# Altium PCB node24.PcbDoc (part 1 of 10) (continued)
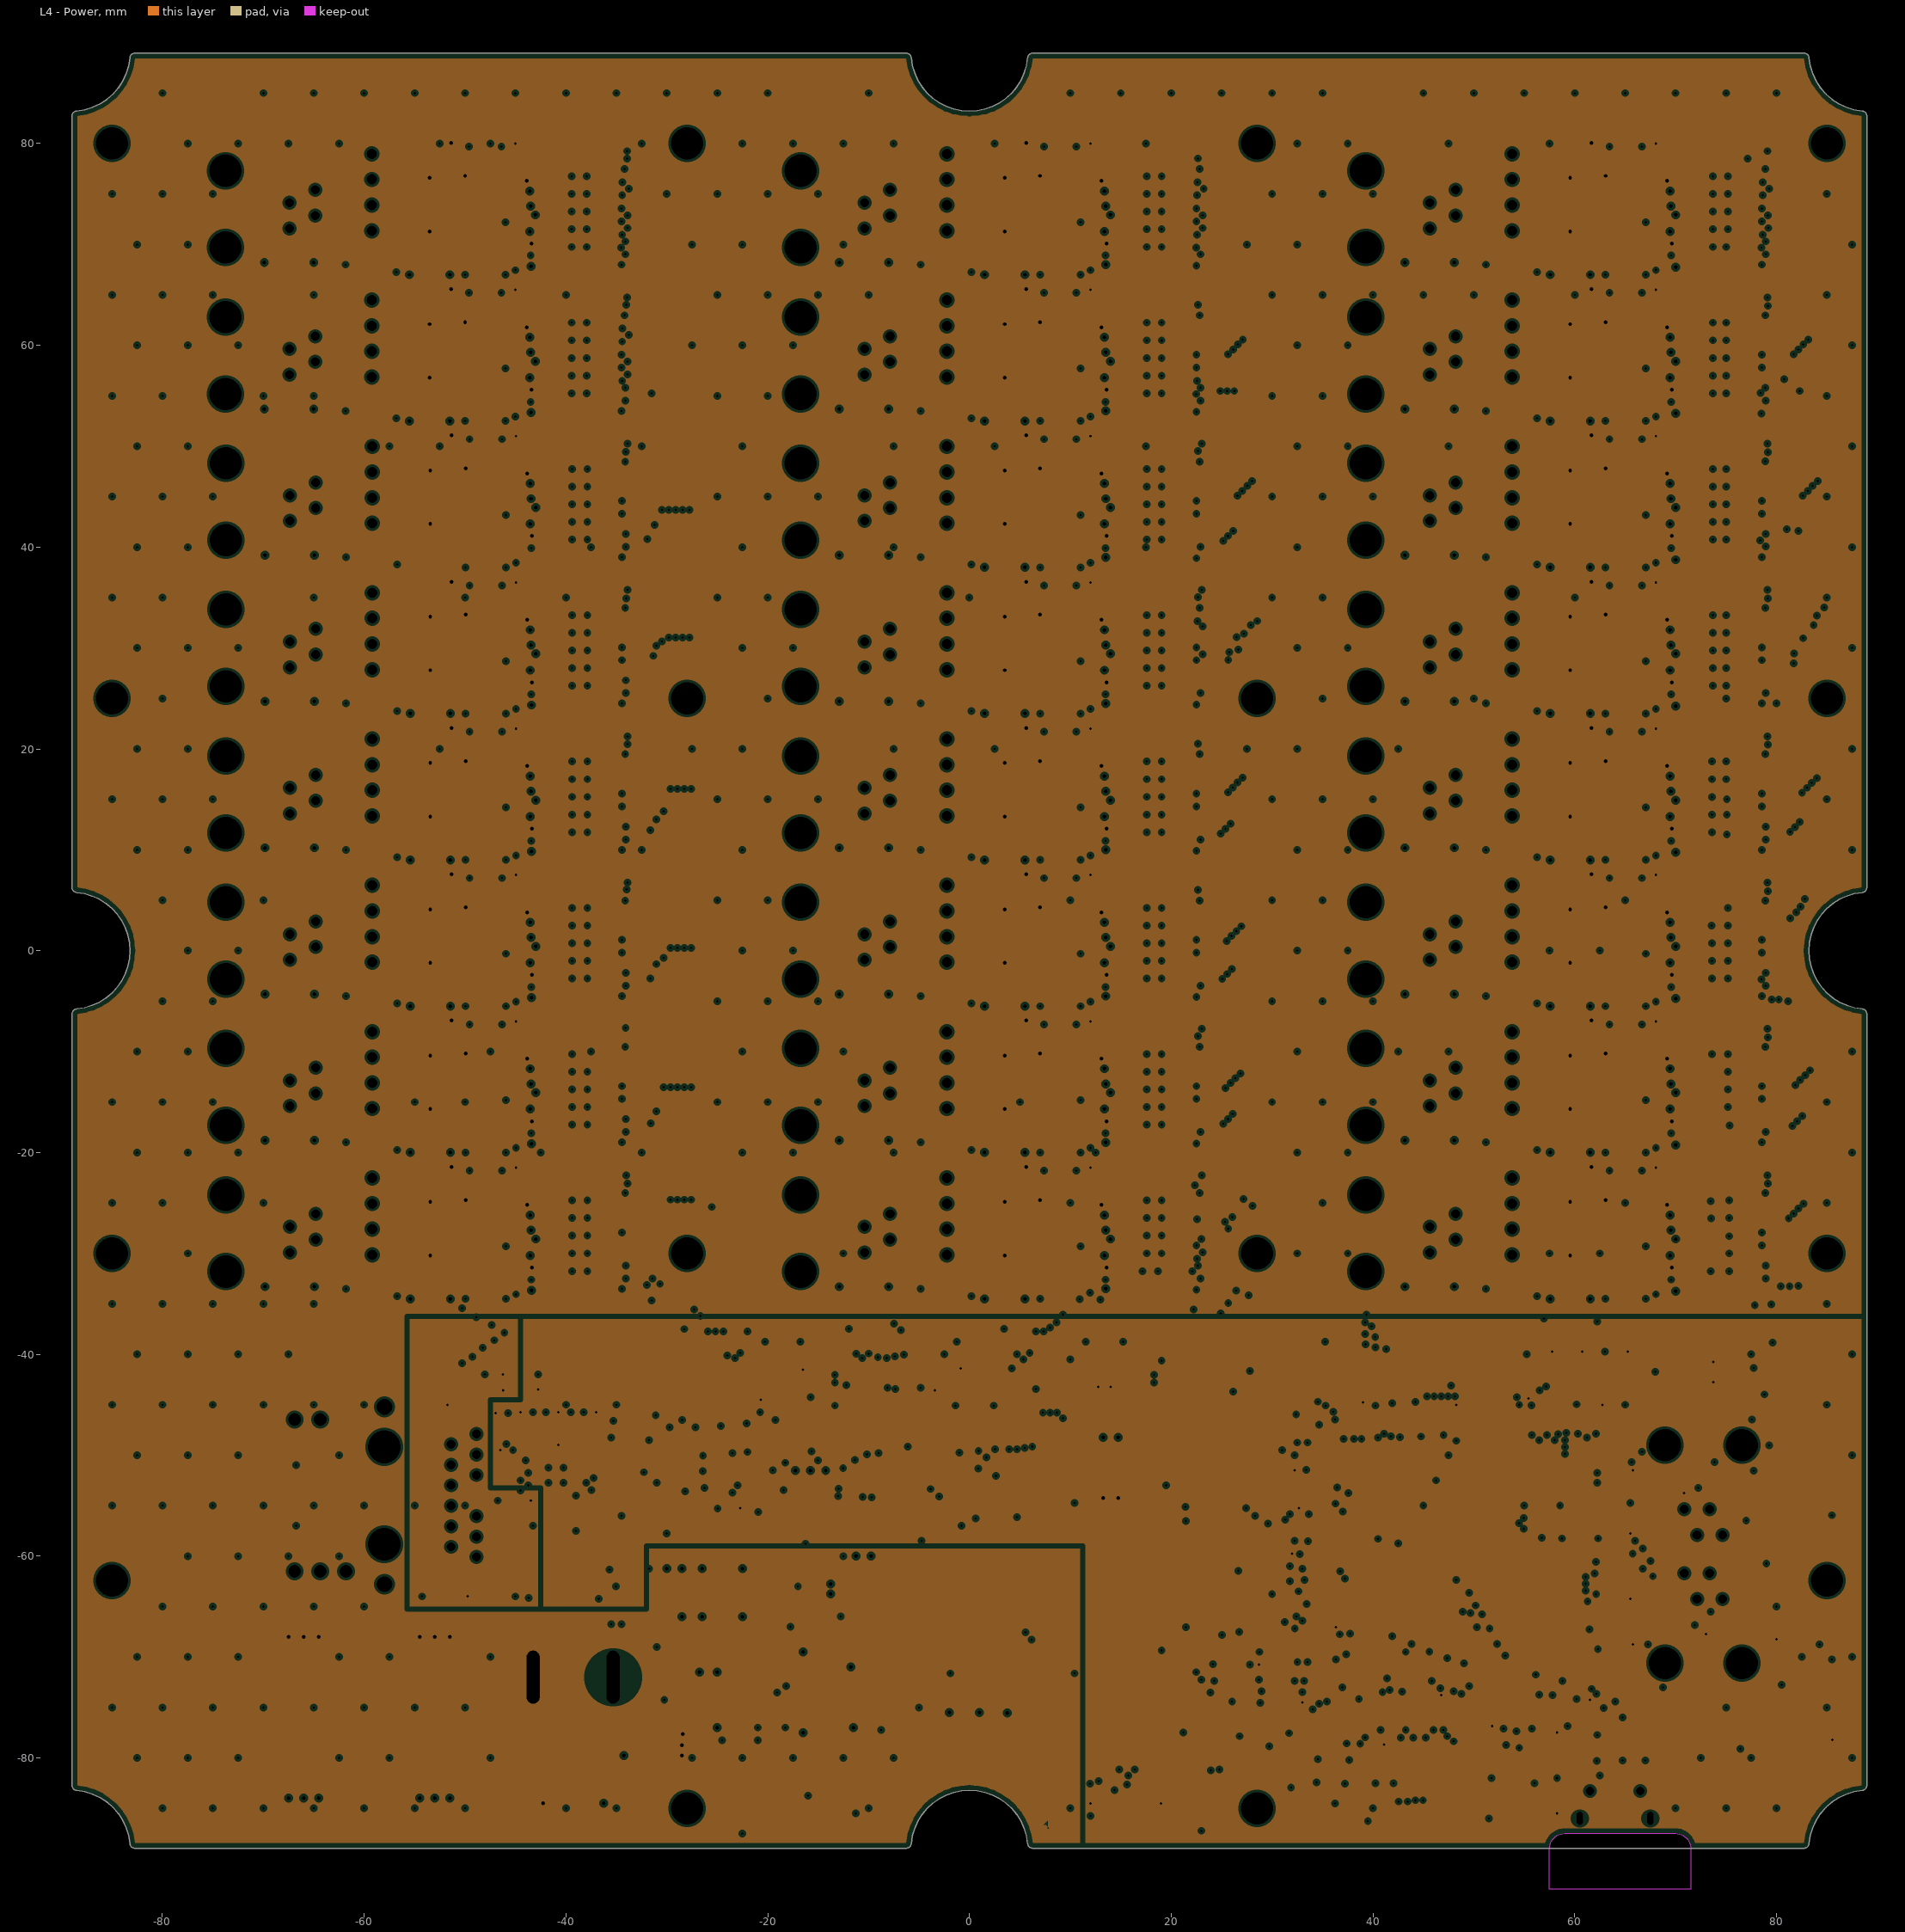
[diagram p4: L4 - Power, clearances drawn from the general rule]
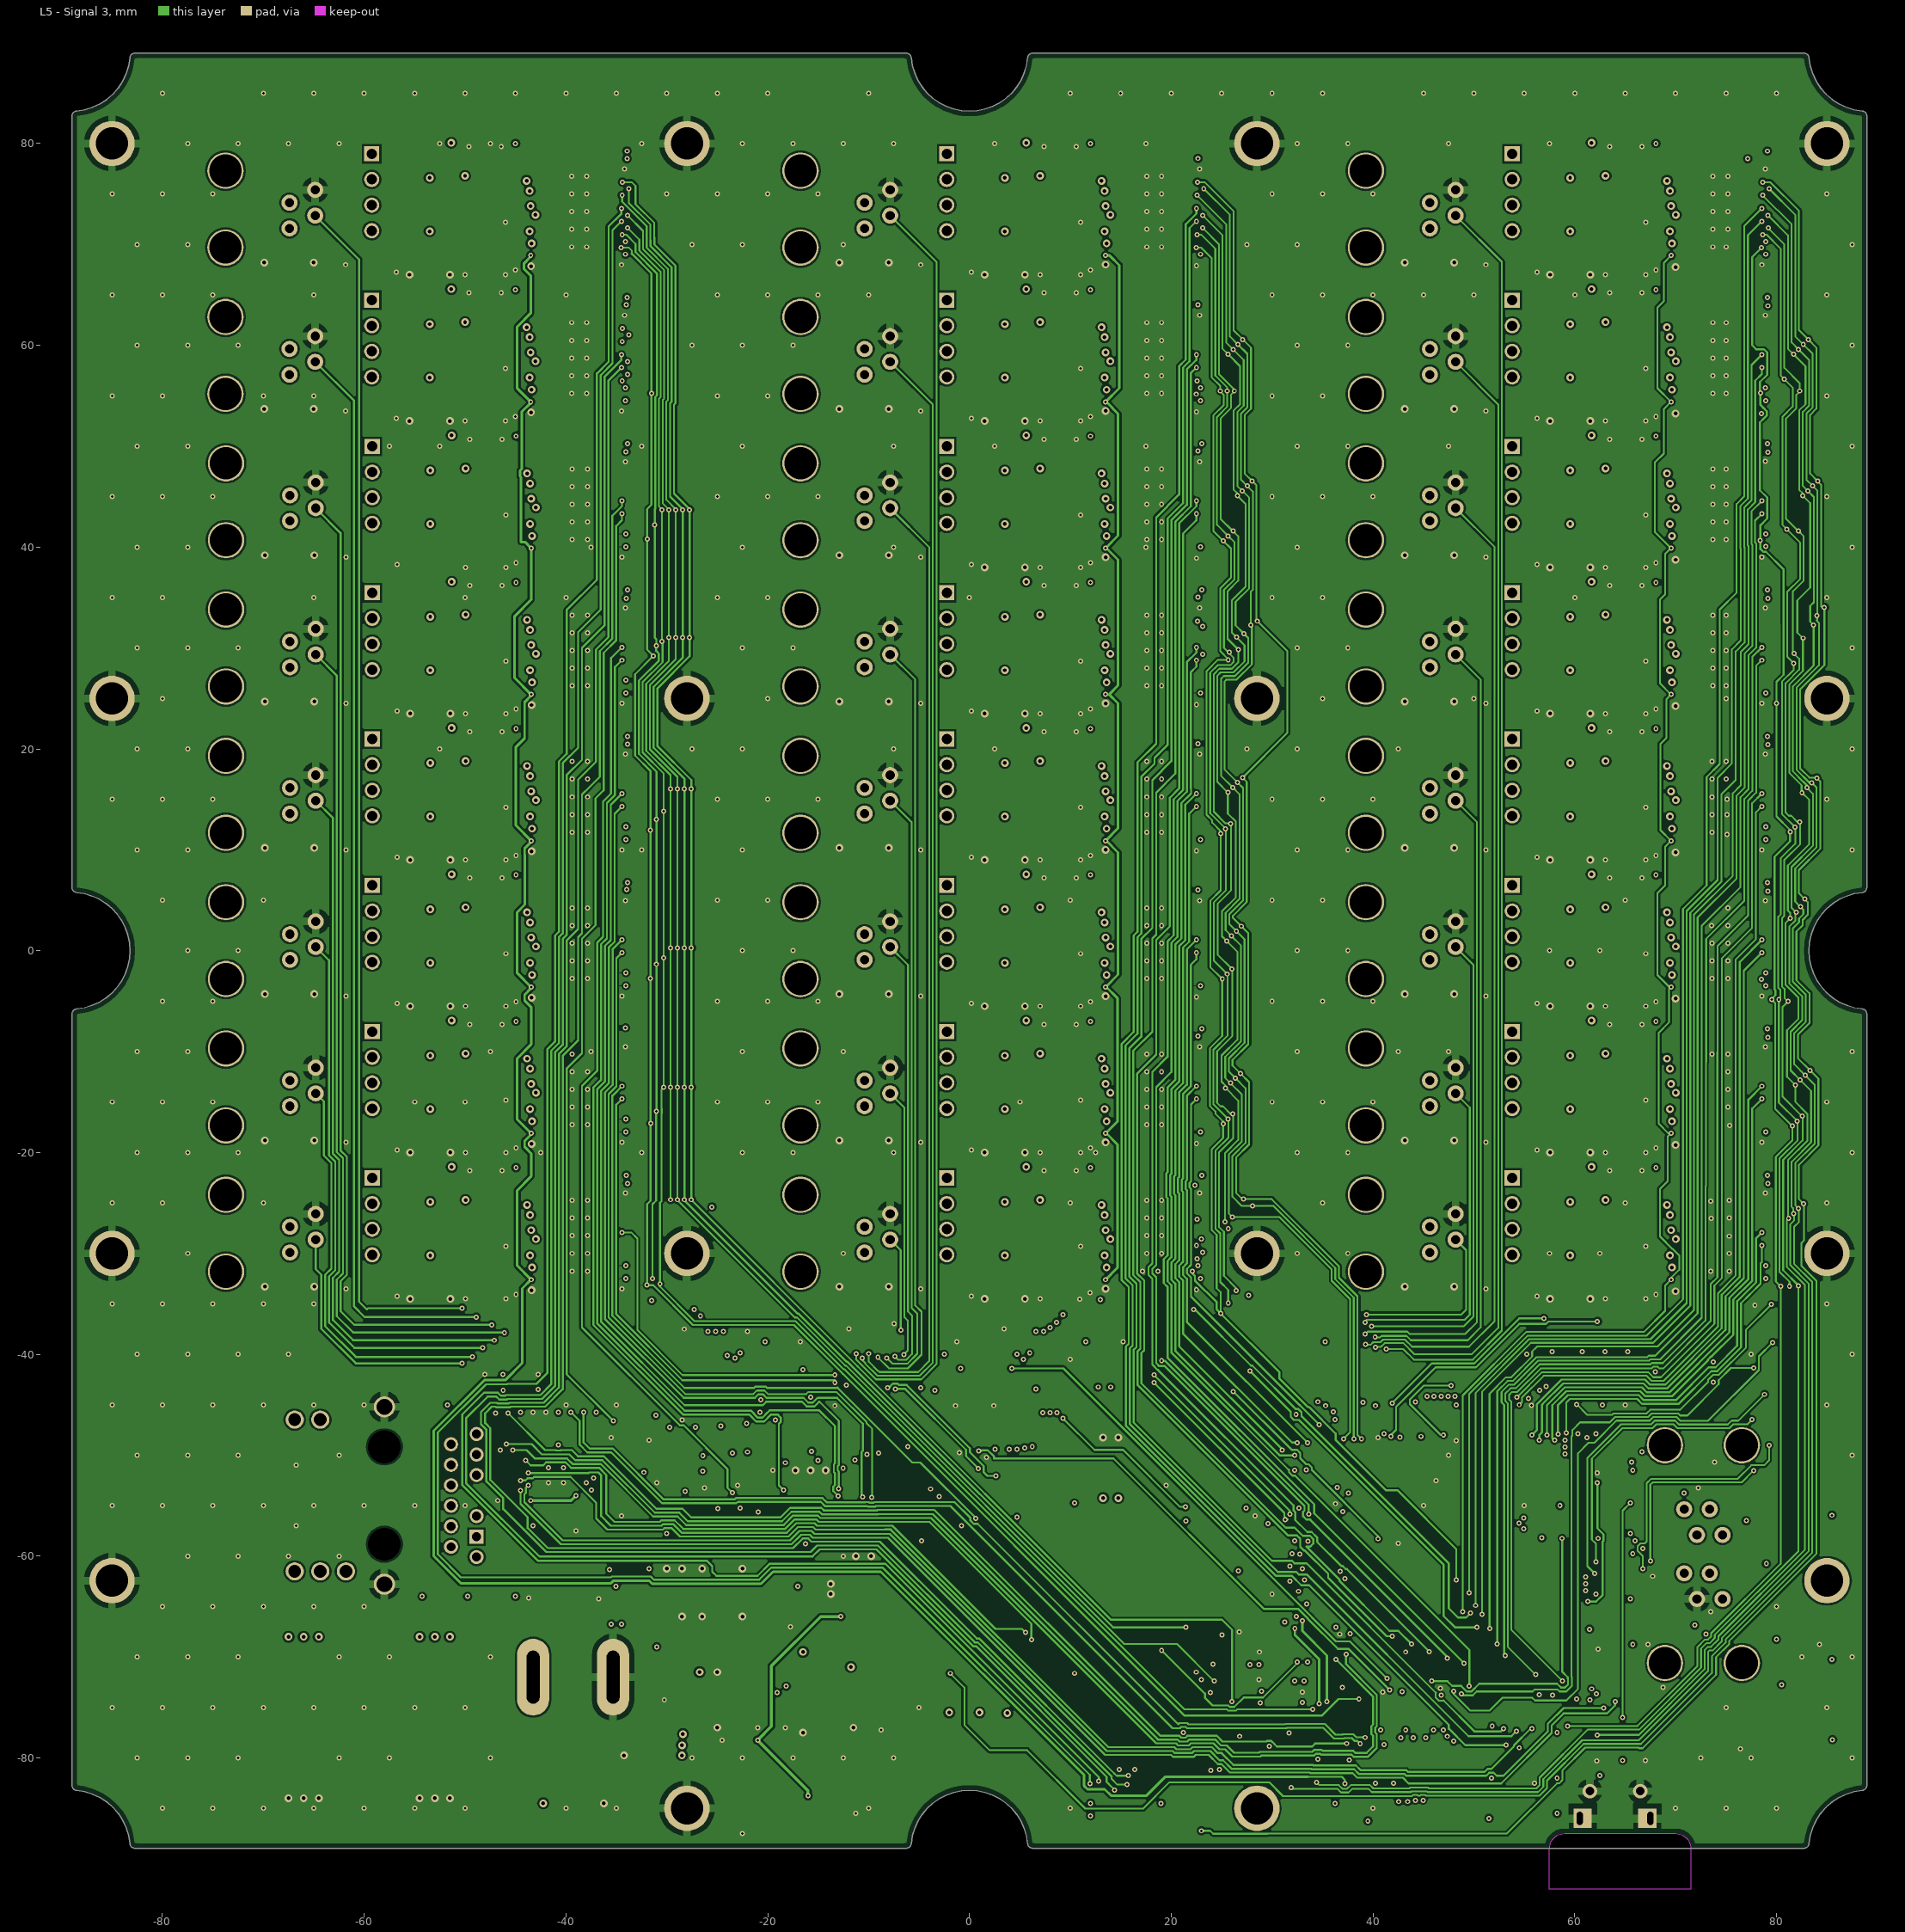
[diagram p5: L5 - Signal 3]

## Layer stack, top to bottom
Top Solder: solder mask 0.0102, Solder Resist, Dk 3.5
L1 - Signal 1 (Top): signal copper 0.0571
Dielectric 1: prepreg 0.127, FR-4, Dk 4.2
L2 - Signal 2: signal copper 0.0356
Dielectric 2: core 0.3556, FR-4, Dk 4.8
L3 - Ground: plane copper 0.0533, net DGND
Dielectric 3: prepreg 0.1905, FR-4, Dk 4.2
L4 - Power: plane copper 0.0533, net (Multiple Nets)
Dielectric 4: core 0.3556, FR-4, Dk 4.2
L5 - Signal 3: signal copper 0.0356
Dielectric 5: prepreg 0.1905, FR-4, Dk 4.2
L6 - Signal 4 (Bot): signal copper 0.0571
Bottom Solder: solder mask 0.0102, Solder Resist, Dk 3.5

## Board outline
319 vertices, not listed, extent -88.959,-88.959 88.959,88.959
cut-out: 57.5,-89 cw(c59,-89) 59,-87.5 70,-87.5 cw(c70,-89) 71.5,-89 71.5,-93 57.5,-93

## Design rules (kind name [scope] priority, off if disabled: settings)
BoardOutlineClearance [All] p1: gap=0.5 ignorepadtopadclearanceinfootprint=FALSE except(0: Arc-SplitContinuation Track-SplitContinuation SMDPad-SplitContinuation THPad-SplitContinuation Via-SplitContinuation Fill-SplitContinuation Poly-SplitContinuation Region-SplitContinuation Text-SplitContinuation)
Clearance Clearance_Poly [IsRegion] p1: gap=0.2 ignorepadtopadclearanceinfootprint=FALSE
Clearance [All] p2: gap=0.18 ignorepadtopadclearanceinfootprint=FALSE
DiffPairsRouting DiffPairsRouting_USB [InDifferentialPair('USB-FS-D')] p1: maxlimit=0.305 minlimit=0.305 mostfreqgap=0.305 toplayer_minwidth=0.18 toplayer_maxwidth=0.18 toplayer_prefwidth=0.18 midlayer1_minwidth=0.18 midlayer1_maxwidth=0.18 midlayer1_prefwidth=0.18 midlayer2_minwidth=0.18 midlayer2_maxwidth=0.18 midlayer2_prefwidth=0.18 bottomlayer_minwidth=0.18 bottomlayer_maxwidth=0.18 bottomlayer_prefwidth=0.18 maxuncoupledlength=12.7
DiffPairsRouting [All] p2: maxlimit=0.181 minlimit=0.181 mostfreqgap=0.181 toplayer_minwidth=0.254 toplayer_maxwidth=0.381 toplayer_prefwidth=0.356 midlayer1_minwidth=0.254 midlayer1_maxwidth=0.381 midlayer1_prefwidth=0.356 midlayer2_minwidth=0.254 midlayer2_maxwidth=0.381 midlayer2_prefwidth=0.356 bottomlayer_minwidth=0.254 bottomlayer_maxwidth=0.381 bottomlayer_prefwidth=0.356 maxuncoupledlength=12.7
HoleSize [All] p1: absolutevalues=TRUE maxlimit=6 minlimit=0.18 maxpercent=80.000 minpercent=20.000
MatchedLengths "Schematic Matched Net Lengths_6" [InNet('TD_P')] p1: tolerance=2.54 checknetsindiffpair=TRUE checkdiffpairvsdiffpair=FALSE checkxsignals=FALSE checkothers=FALSE
MatchedLengths "Schematic Matched Net Lengths_5" [InNet('RD_N')] p2: tolerance=2.54 checknetsindiffpair=TRUE checkdiffpairvsdiffpair=FALSE checkxsignals=FALSE checkothers=FALSE
MatchedLengths "Schematic Matched Net Lengths_4" [InNet('TD_N')] p3: tolerance=2.54 checknetsindiffpair=TRUE checkdiffpairvsdiffpair=FALSE checkxsignals=FALSE checkothers=FALSE
MatchedLengths "Schematic Matched Net Lengths_2" [InNet('RD_P')] p4: tolerance=2.54 checknetsindiffpair=TRUE checkdiffpairvsdiffpair=FALSE checkxsignals=FALSE checkothers=FALSE
MinimumSolderMaskSliver [All] p1: minsoldermaskwidth=0
PlaneClearance [All] p1: clearance=0.254
PlaneConnect PlaneConnect_J8 [InComponent('j8')] p1: planeconnectstyle=Relief reliefexpansion=0.508 reliefentries=4 reliefconductorwidth=1 reliefairgap=0.5
PlaneConnect PlaneConnect_Via [IsVia] p2: planeconnectstyle=Direct reliefexpansion=0.508 reliefentries=4 reliefconductorwidth=0.254 reliefairgap=0.254
PlaneConnect [All] p3: planeconnectstyle=Relief reliefexpansion=0.254 reliefentries=4 reliefconductorwidth=0.254 reliefairgap=0.254
PolygonConnect PolygonConnect_MtgHole [IsPadHoleValid and InNet('DGND')] p1: connectstyle=Relief reliefconductorwidth=0.8 reliefentries=4 polygonreliefangle="90 Angle" airgapwidth=0.5
PolygonConnect PolygonConnect_CAPAE_D10_BH10MM3 [HasFootprint('CAPAE_D10_BH10MM3')] p2: connectstyle=Direct reliefconductorwidth=0.254 reliefentries=4 polygonreliefangle="90 Angle" airgapwidth=0.254
PolygonConnect PolygonConnect_Via [IsVia] p3: connectstyle=Direct reliefconductorwidth=0.254 reliefentries=4 polygonreliefangle="90 Angle" airgapwidth=0.254
PolygonConnect PolygonConnect_Relief [All] p4: connectstyle=Relief reliefconductorwidth=0.25 reliefentries=4 polygonreliefangle="90 Angle" airgapwidth=0.25
RoomDefinition U_CH-73 [InComponentClass('U_CH-73')] p1 off: confinementstyle=ConfineIn formatcopy=TRUE lockcomponents=FALSE outline -80.5,66.5 -32.05,66.5 -32.05,81 -80.5,81
RoomDefinition U_CH-72 [InComponentClass('U_CH-72')] p2 off: confinementstyle=ConfineIn formatcopy=TRUE lockcomponents=FALSE outline -23.5,66.5 24.95,66.5 24.95,81 -23.5,81
RoomDefinition U_CH-71 [InComponentClass('U_CH-71')] p3 off: confinementstyle=ConfineIn formatcopy=TRUE lockcomponents=FALSE outline 32.55,66.5 81,66.5 81,81 32.55,81
RoomDefinition U_CH-63 [InComponentClass('U_CH-63')] p4 off: confinementstyle=ConfineIn formatcopy=TRUE lockcomponents=FALSE outline -80.5,52 -32.05,52 -32.05,66.5 -80.5,66.5
RoomDefinition U_CH-52 [InComponentClass('U_CH-52')] p5 off: confinementstyle=ConfineIn formatcopy=TRUE lockcomponents=FALSE outline -23.5,37.5 24.95,37.5 24.95,52 -23.5,52
RoomDefinition U_CH-51 [InComponentClass('U_CH-51')] p6 off: confinementstyle=ConfineIn formatcopy=TRUE lockcomponents=FALSE outline 32.55,37.5 81,37.5 81,52 32.55,52
RoomDefinition U_CH-43 [InComponentClass('U_CH-43')] p7 off: confinementstyle=ConfineIn formatcopy=TRUE lockcomponents=FALSE outline -80.45,23 -32,23 -32,37.5 -80.45,37.5
RoomDefinition U_CH-42 [InComponentClass('U_CH-42')] p8 off: confinementstyle=ConfineIn formatcopy=TRUE lockcomponents=FALSE outline -23.5,23 24.95,23 24.95,37.5 -23.5,37.5
RoomDefinition U_CH-41 [InComponentClass('U_CH-41')] p9 off: confinementstyle=ConfineIn formatcopy=TRUE lockcomponents=FALSE outline 32.55,23 81,23 81,37.5 32.55,37.5
RoomDefinition U_CH-33 [InComponentClass('U_CH-33')] p10 off: confinementstyle=ConfineIn formatcopy=TRUE lockcomponents=FALSE outline -80.45,8.5 -32,8.5 -32,23 -80.45,23
RoomDefinition U_CH-32 [InComponentClass('U_CH-32')] p11 off: confinementstyle=ConfineIn formatcopy=TRUE lockcomponents=FALSE outline -23.5,8.5 24.95,8.5 24.95,23 -23.5,23
RoomDefinition U_CH-31 [InComponentClass('U_CH-31')] p12 off: confinementstyle=ConfineIn formatcopy=TRUE lockcomponents=FALSE outline 32.55,8.5 81,8.5 81,23 32.55,23
RoomDefinition U_CH-23 [InComponentClass('U_CH-23')] p13 off: confinementstyle=ConfineIn formatcopy=TRUE lockcomponents=FALSE outline -80.45,-6 -32,-6 -32,8.5 -80.45,8.5
RoomDefinition U_CH-22 [InComponentClass('U_CH-22')] p14 off: confinementstyle=ConfineIn formatcopy=TRUE lockcomponents=FALSE outline -23.5,-6 24.95,-6 24.95,8.5 -23.5,8.5
RoomDefinition U_CH-21 [InComponentClass('U_CH-21')] p15 off: confinementstyle=ConfineIn formatcopy=TRUE lockcomponents=FALSE outline 32.55,-6 81,-6 81,8.5 32.55,8.5
RoomDefinition U_CH-13 [InComponentClass('U_CH-13')] p16 off: confinementstyle=ConfineIn formatcopy=TRUE lockcomponents=FALSE outline -80.45,-20.5 -32,-20.5 -32,-6 -80.45,-6
RoomDefinition U_CH-12 [InComponentClass('U_CH-12')] p17 off: confinementstyle=ConfineIn formatcopy=TRUE lockcomponents=FALSE outline -23.5,-20.5 24.95,-20.5 24.95,-6 -23.5,-6
RoomDefinition U_CH-11 [InComponentClass('U_CH-11')] p18 off: confinementstyle=ConfineIn formatcopy=TRUE lockcomponents=FALSE outline 32.55,-20.5 81,-20.5 81,-6 32.55,-6
RoomDefinition U_CH-03 [InComponentClass('U_CH-03')] p19 off: confinementstyle=ConfineIn formatcopy=TRUE lockcomponents=FALSE outline -80.45,-35 -32,-35 -32,-20.5 -80.45,-20.5
RoomDefinition U_CH-02 [InComponentClass('U_CH-02')] p20 off: confinementstyle=ConfineIn formatcopy=TRUE lockcomponents=FALSE outline -23.5,-35 24.95,-35 24.95,-20.5 -23.5,-20.5
RoomDefinition U_CH-01 [InComponentClass('U_CH-01')] p21 off: confinementstyle=ConfineIn formatcopy=TRUE lockcomponents=FALSE outline 32.55,-35 81,-35 81,-20.5 32.55,-20.5
RoomDefinition U_CH-62 [InComponentClass('U_CH-62')] p22 off: confinementstyle=ConfineIn formatcopy=TRUE lockcomponents=FALSE outline -23.5,52 24.95,52 24.95,66.5 -23.5,66.5
RoomDefinition U_CH-61 [InComponentClass('U_CH-61')] p23 off: confinementstyle=ConfineIn formatcopy=TRUE lockcomponents=FALSE outline 32.55,52 81,52 81,66.5 32.55,66.5
RoomDefinition U_CH-53 [InComponentClass('U_CH-53')] p24 off: confinementstyle=ConfineIn formatcopy=TRUE lockcomponents=FALSE outline -80.45,37.5 -32,37.5 -32,52 -80.45,52
RoutingVias [All] p1: holewidth=0.711 width=1.27 viastyle="Through Hole" minholewidth=0.711 minwidth=1.27 maxholewidth=0.711 maxwidth=1.27 useviatemplates=TRUE viatemplateguid#1={EE936D5F-39F3-4AD4-83C7-C96316C120D0} viatemplateguid#2={BFFA7037-2E73-4D42-AB48-A3EB0165F00D} viatemplatename#1=via_10/20 viatemplatename#2=via_15/30
SilkToSilkClearance [All] p1: silktosilkclearance=0
SilkToSolderMaskClearance [IsPad] p1: minsilkscreentomaskgap=0 clearancetoexposedcopper=TRUE
SolderMaskExpansion [All] p1: expansion=0.102
Width [All] p1: maxlimit=2.54 minlimit=0.18 preferedwidth=0.254
23 further rules are at their usual default settings.

## Classes and differential pairs
component class U_STM32: C2 C7 C15 C16 C17 C18 C19 C20 C21 C22 C23 C24 C25 C26 C27 C28 C29 C30 C31 C32 C33 C34 C55 C76 C77 C79 C80 D8 J2 J5 J6 J7 J9 L1 LED1 LED2 OPTO1 R1 R17 R18 R19 R27 R28 R29 R30 R31 R32 R33 R34 R35 R36 R37 R39 R40 R41 R42 R43 R44 R45 R46 R48 R49 R50 R51 R52 R53 R54 R55 R56 R64 R65 R66 R67 R68 R69 R70 R71 R72 R73 R74 R75 SW1 SW2 SW3 SW4 TP2 TP4 TP5 TP6 TP7 TP15 U2 U5 U7 X1
component class U_CH-01: C3A C9A C38A C39A C41A C42A C58A D1A D2A D6A F1A J1A J3A R20A R21A R22A R23_ELEMENT1 R23A R24_ELEMENT1 R24A TP8A TP9A TP14A U3_ELEMENT1 U3A
component class U_CH-11: C3B C9B C38B C39B C41B C42B C58B D1B D2B D6B F1B J1B J3B R20B R21B R22B R23_ELEMENT2 R23B R24_ELEMENT2 R24B TP8B TP9B TP14B U3_ELEMENT2 U3B
component class U_CH-21: C3C C9C C38C C39C C41C C42C C58C D1C D2C D6C F1C J1C J3C R20C R21C R22C R23_ELEMENT3 R23C R24_ELEMENT3 R24C TP8C TP9C TP14C U3_ELEMENT3 U3C
component class U_CH-31: C3D C9D C38D C39D C41D C42D C58D D1D D2D D6D F1D J1D J3D R20D R21D R22D R23_ELEMENT4 R23D R24_ELEMENT4 R24D TP8D TP9D TP14D U3_ELEMENT4 U3D
component class U_CH-41: C3E C9E C38E C39E C41E C42E C58E D1E D2E D6E F1E J1E J3E R20E R21E R22E R23_ELEMENT5 R23E R24_ELEMENT5 R24E TP8E TP9E TP14E U3_ELEMENT5 U3E
component class U_CH-51: C3F C9F C38F C39F C41F C42F C58F D1F D2F D6F F1F J1F J3F R20F R21F R22F R23_ELEMENT6 R23F R24_ELEMENT6 R24F TP8F TP9F TP14F U3_ELEMENT6 U3F
component class U_CH-61: C3G C9G C38G C39G C41G C42G C58G D1G D2G D6G F1G J1G J3G R20G R21G R22G R23_ELEMENT7 R23G R24_ELEMENT7 R24G TP8G TP9G TP14G U3_ELEMENT7 U3G
component class U_CH-71: C3H C9H C38H C39H C41H C42H C58H D1H D2H D6H F1H J1H J3H R20H R21H R22H R23_ELEMENT8 R23H R24_ELEMENT8 R24H TP8H TP9H TP14H U3_ELEMENT8 U3H
component class U_CH-02: C3I C9I C38I C39I C41I C42I C58I D1I D2I D6I F1I J1I J3I R20I R21I R22I R23_ELEMENT9 R23I R24_ELEMENT9 R24I TP8I TP9I TP14I U3_ELEMENT9 U3I
component class U_CH-12: C3J C9J C38J C39J C41J C42J C58J D1J D2J D6J F1J J1J J3J R20J R21J R22J R23_ELEMENT10 R23J R24_ELEMENT10 R24J TP8J TP9J TP14J U3_ELEMENT10 U3J
component class U_CH-22: C3K C9K C38K C39K C41K C42K C58K D1K D2K D6K F1K J1K J3K R20K R21K R22K R23_ELEMENT11 R23K R24_ELEMENT11 R24K TP8K TP9K TP14K U3_ELEMENT11 U3K
component class U_CH-32: C3L C9L C38L C39L C41L C42L C58L D1L D2L D6L F1L J1L J3L R20L R21L R22L R23_ELEMENT12 R23L R24_ELEMENT12 R24L TP8L TP9L TP14L U3_ELEMENT12 U3L
component class U_CH-42: C3M C9M C38M C39M C41M C42M C58M D1M D2M D6M F1M J1M J3M R20M R21M R22M R23_ELEMENT13 R23M R24_ELEMENT13 R24M TP8M TP9M TP14M U3_ELEMENT13 U3M
component class U_CH-52: C3N C9N C38N C39N C41N C42N C58N D1N D2N D6N F1N J1N J3N R20N R21N R22N R23_ELEMENT14 R23N R24_ELEMENT14 R24N TP8N TP9N TP14N U3_ELEMENT14 U3N
component class U_CH-62: C3O C9O C38O C39O C41O C42O C58O D1O D2O D6O F1O J1O J3O R20O R21O R22O R23_ELEMENT15 R23O R24_ELEMENT15 R24O TP8O TP9O TP14O U3_ELEMENT15 U3O
component class U_CH-72: C3P C9P C38P C39P C41P C42P C58P D1P D2P D6P F1P J1P J3P R20P R21P R22P R23_ELEMENT16 R23P R24_ELEMENT16 R24P TP8P TP9P TP14P U3_ELEMENT16 U3P
component class U_CH-03: C3Q C9Q C38Q C39Q C41Q C42Q C58Q D1Q D2Q D6Q F1Q J1Q J3Q R20Q R21Q R22Q R23_ELEMENT17 R23Q R24_ELEMENT17 R24Q TP8Q TP9Q TP14Q U3_ELEMENT17 U3Q
component class U_CH-13: C3R C9R C38R C39R C41R C42R C58R D1R D2R D6R F1R J1R J3R R20R R21R R22R R23_ELEMENT18 R23R R24_ELEMENT18 R24R TP8R TP9R TP14R U3_ELEMENT18 U3R
component class U_CH-23: C3S C9S C38S C39S C41S C42S C58S D1S D2S D6S F1S J1S J3S R20S R21S R22S R23_ELEMENT19 R23S R24_ELEMENT19 R24S TP8S TP9S TP14S U3_ELEMENT19 U3S
component class U_CH-33: C3T C9T C38T C39T C41T C42T C58T D1T D2T D6T F1T J1T J3T R20T R21T R22T R23_ELEMENT20 R23T R24_ELEMENT20 R24T TP8T TP9T TP14T U3_ELEMENT20 U3T
component class U_CH-43: C3U C9U C38U C39U C41U C42U C58U D1U D2U D6U F1U J1U J3U R20U R21U R22U R23_ELEMENT21 R23U R24_ELEMENT21 R24U TP8U TP9U TP14U U3_ELEMENT21 U3U
component class U_CH-53: C3V C9V C38V C39V C41V C42V C58V D1V D2V D6V F1V J1V J3V R20V R21V R22V R23_ELEMENT22 R23V R24_ELEMENT22 R24V TP8V TP9V TP14V U3_ELEMENT22 U3V
component class U_CH-63: C3W C9W C38W C39W C41W C42W C58W D1W D2W D6W F1W J1W J3W R20W R21W R22W R23_ELEMENT23 R23W R24_ELEMENT23 R24W TP8W TP9W TP14W U3_ELEMENT23 U3W
component class U_CH-73: C3X C9X C38X C39X C41X C42X C58X D1X D2X D6X F1X J1X J3X R20X R21X R22X R23_ELEMENT24 R23X R24_ELEMENT24 R24X TP8X TP9X TP14X U3_ELEMENT24 U3X
channel class node24-channel: U_CH-01 U_CH-02 U_CH-03 U_CH-11 U_CH-12 U_CH-13 U_CH-21 U_CH-22 U_CH-23 U_CH-31 U_CH-32 U_CH-33 U_CH-41 U_CH-42 U_CH-43 U_CH-51 U_CH-52 U_CH-53 U_CH-61 U_CH-62 U_CH-63 U_CH-71 U_CH-72 U_CH-73
component class U_ETH: C4 C5 C59 C60 C61 C62 C63 C64 C65 C66 C67 D3 D4 J4 L3 R3 R4 R5 R6 R7 R8 R9 R10 R11 R12 R25 R26 R47 R76 R77 R78 R79 U9 X2
component class U_PWR: C1 C6 C8 C11 C12 C47 C56 C57 C81 C83 D5 D10 D11 D12 L4 R2 R13 R15 TP10 TP11 TP12 U1 U8
component class U_BANK-A: C13A C14A R16A R38A R57A R58A R59A R60A R61A R62A R63A TP13A U4A
component class U_BANK-B: C13B C14B R16B R38B R57B R58B R59B R60B R61B R62B R63B TP13B
component class U_BANK-C: C13C C14C R16C R38C R57C R58C R59C R60C R61C R62C R63C TP13C U4C
net class DRV-BANKA-DIR-[0..7]: DRV-BANKA-DIR-0 DRV-BANKA-DIR-1 DRV-BANKA-DIR-2 DRV-BANKA-DIR-3 DRV-BANKA-DIR-4 DRV-BANKA-DIR-5 DRV-BANKA-DIR-6 DRV-BANKA-DIR-7
net class DRV-BANKA-STEP-[0..7]: DRV-BANKA-STEP-0 DRV-BANKA-STEP-1 DRV-BANKA-STEP-2 DRV-BANKA-STEP-3 DRV-BANKA-STEP-4 DRV-BANKA-STEP-5 DRV-BANKA-STEP-6 DRV-BANKA-STEP-7
net class DRV-BANKB-DIR-[0..7]: DRV-BANKB-DIR-0 DRV-BANKB-DIR-1 DRV-BANKB-DIR-2 DRV-BANKB-DIR-3 DRV-BANKB-DIR-4 DRV-BANKB-DIR-5 DRV-BANKB-DIR-6 DRV-BANKB-DIR-7
net class DRV-BANKB-STEP-[0..7]: DRV-BANKB-STEP-0 DRV-BANKB-STEP-1 DRV-BANKB-STEP-2 DRV-BANKB-STEP-3 DRV-BANKB-STEP-4 DRV-BANKB-STEP-5 DRV-BANKB-STEP-6 DRV-BANKB-STEP-7
net class DRV-BANKC-DIR-[0..7]: DRV-BANKC-DIR-0 DRV-BANKC-DIR-1 DRV-BANKC-DIR-2 DRV-BANKC-DIR-3 DRV-BANKC-DIR-4 DRV-BANKC-DIR-5 DRV-BANKC-DIR-6 DRV-BANKC-DIR-7
net class DRV-BANKC-STEP-[0..7]: DRV-BANKC-STEP-0 DRV-BANKC-STEP-1 DRV-BANKC-STEP-2 DRV-BANKC-STEP-3 DRV-BANKC-STEP-4 DRV-BANKC-STEP-5 DRV-BANKC-STEP-6 DRV-BANKC-STEP-7
channel class node24-bank: U_BANK-A U_BANK-B U_BANK-C
net class LED-BANKA-MOSI-[0..7]: LED-BANKA-MOSI-0 LED-BANKA-MOSI-1 LED-BANKA-MOSI-2 LED-BANKA-MOSI-3 LED-BANKA-MOSI-4 LED-BANKA-MOSI-5 LED-BANKA-MOSI-6 LED-BANKA-MOSI-7
net class LED-BANKB-MOSI-[0..7]: LED-BANKB-MOSI-0 LED-BANKB-MOSI-1 LED-BANKB-MOSI-2 LED-BANKB-MOSI-3 LED-BANKB-MOSI-4 LED-BANKB-MOSI-5 LED-BANKB-MOSI-6 LED-BANKB-MOSI-7
net class LED-BANKC-MOSI-[0..7]: LED-BANKC-MOSI-0 LED-BANKC-MOSI-1 LED-BANKC-MOSI-2 LED-BANKC-MOSI-3 LED-BANKC-MOSI-4 LED-BANKC-MOSI-5 LED-BANKC-MOSI-6 LED-BANKC-MOSI-7
differential pair RD: +RD_P -RD_N
differential pair TD: +TD_P -TD_N
differential pair USB-FS-D: +USB-FS-D_P -USB-FS-D_N
